# Altium PCB KAVI_PCB_R5.PcbDoc (part 1 of 2)
Units mil, origin at the board's own origin, x right, y up, seen from the top; angles counter-clockwise.
Board outline 3000 x 1700 mil, 4 copper layers (Top Layer, Signal Layer 1, Signal Layer 2, Bottom Layer), stack 64.6 mil thick; 113 components, 99 nets, 484 pads, 120 vias.
Unrouted connection lines stored in the file: 1.
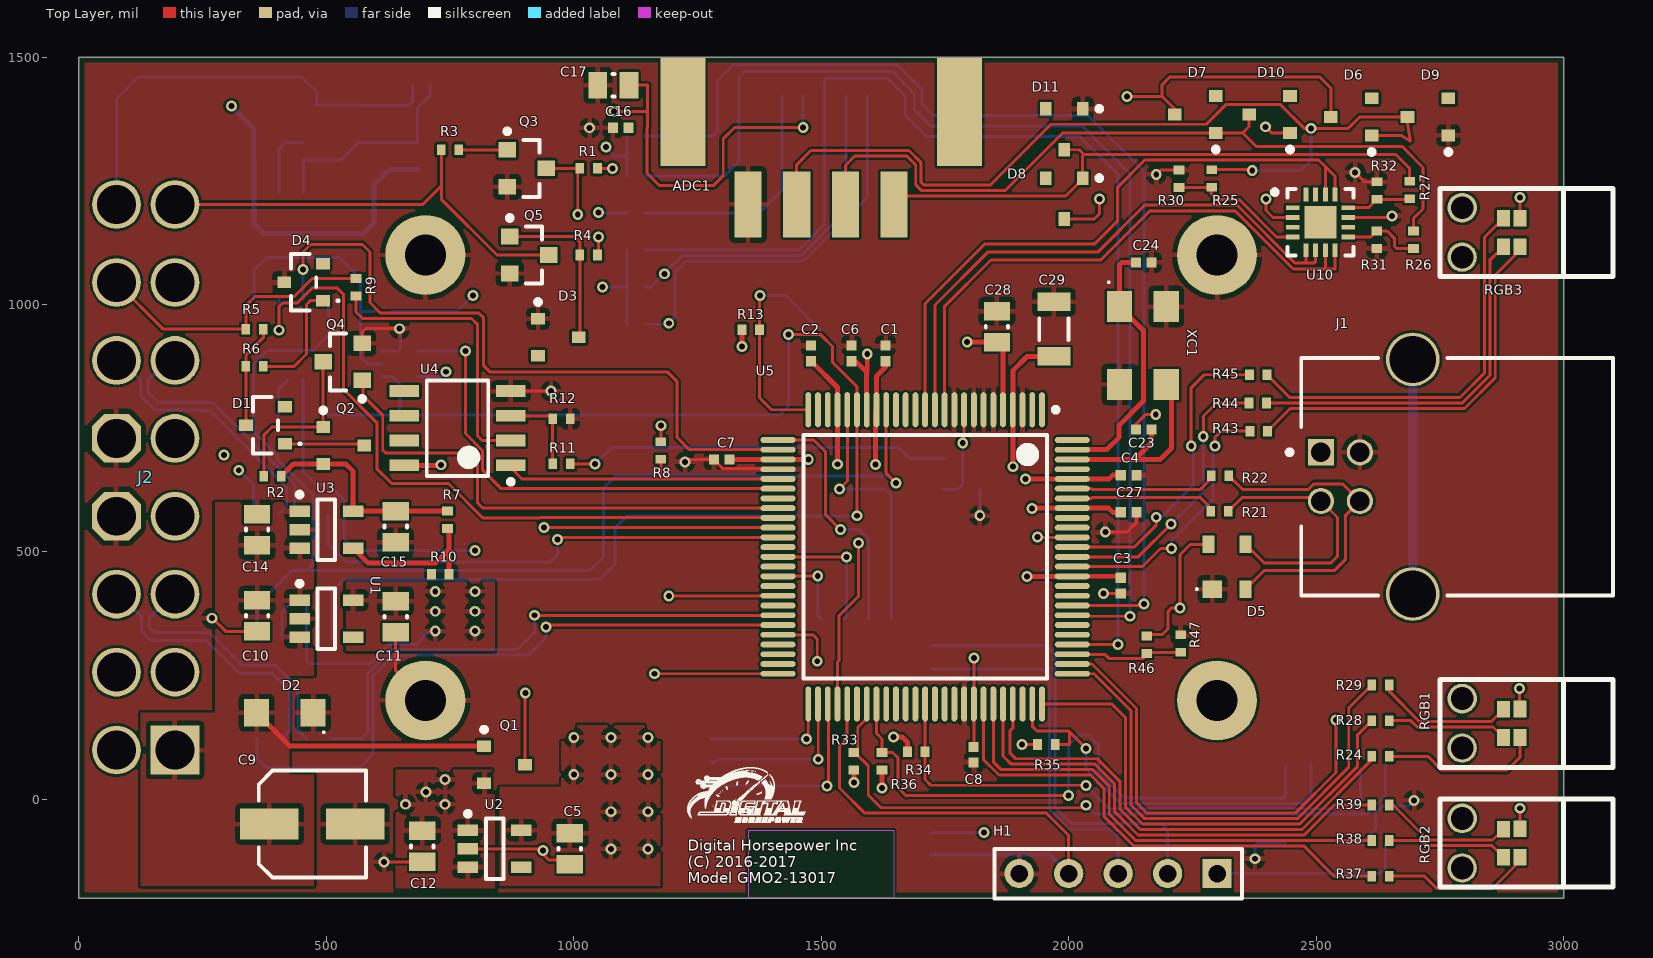
[diagram p0: Top Layer view]
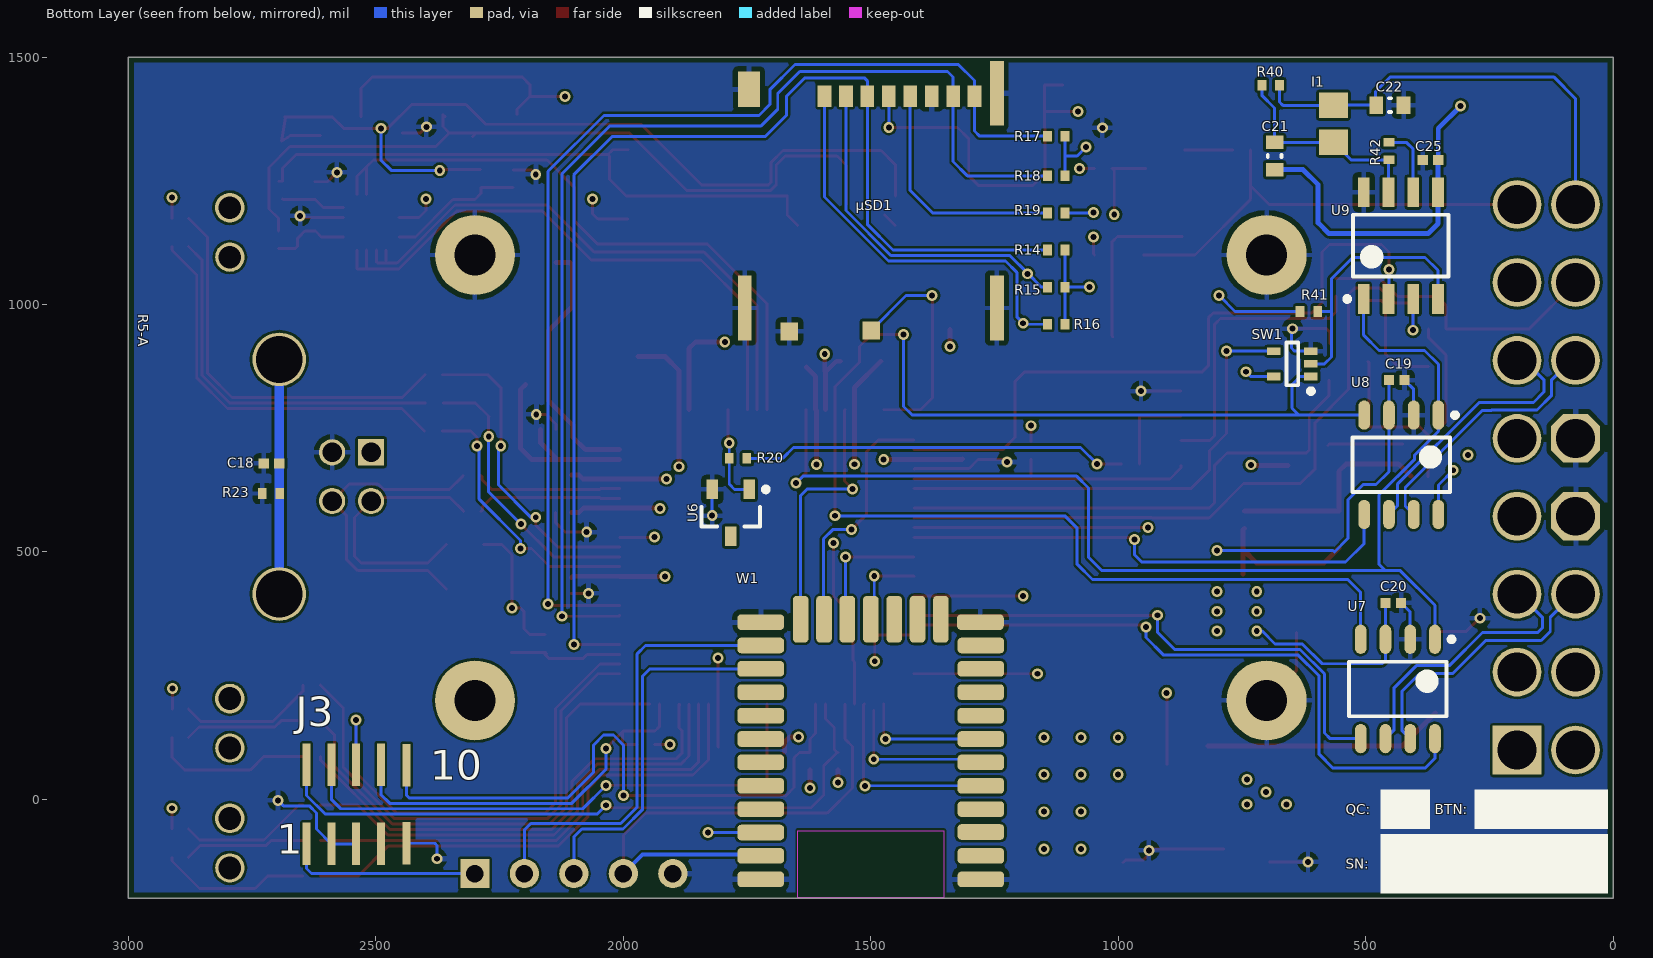
[diagram p1: Bottom Layer view, seen from below]
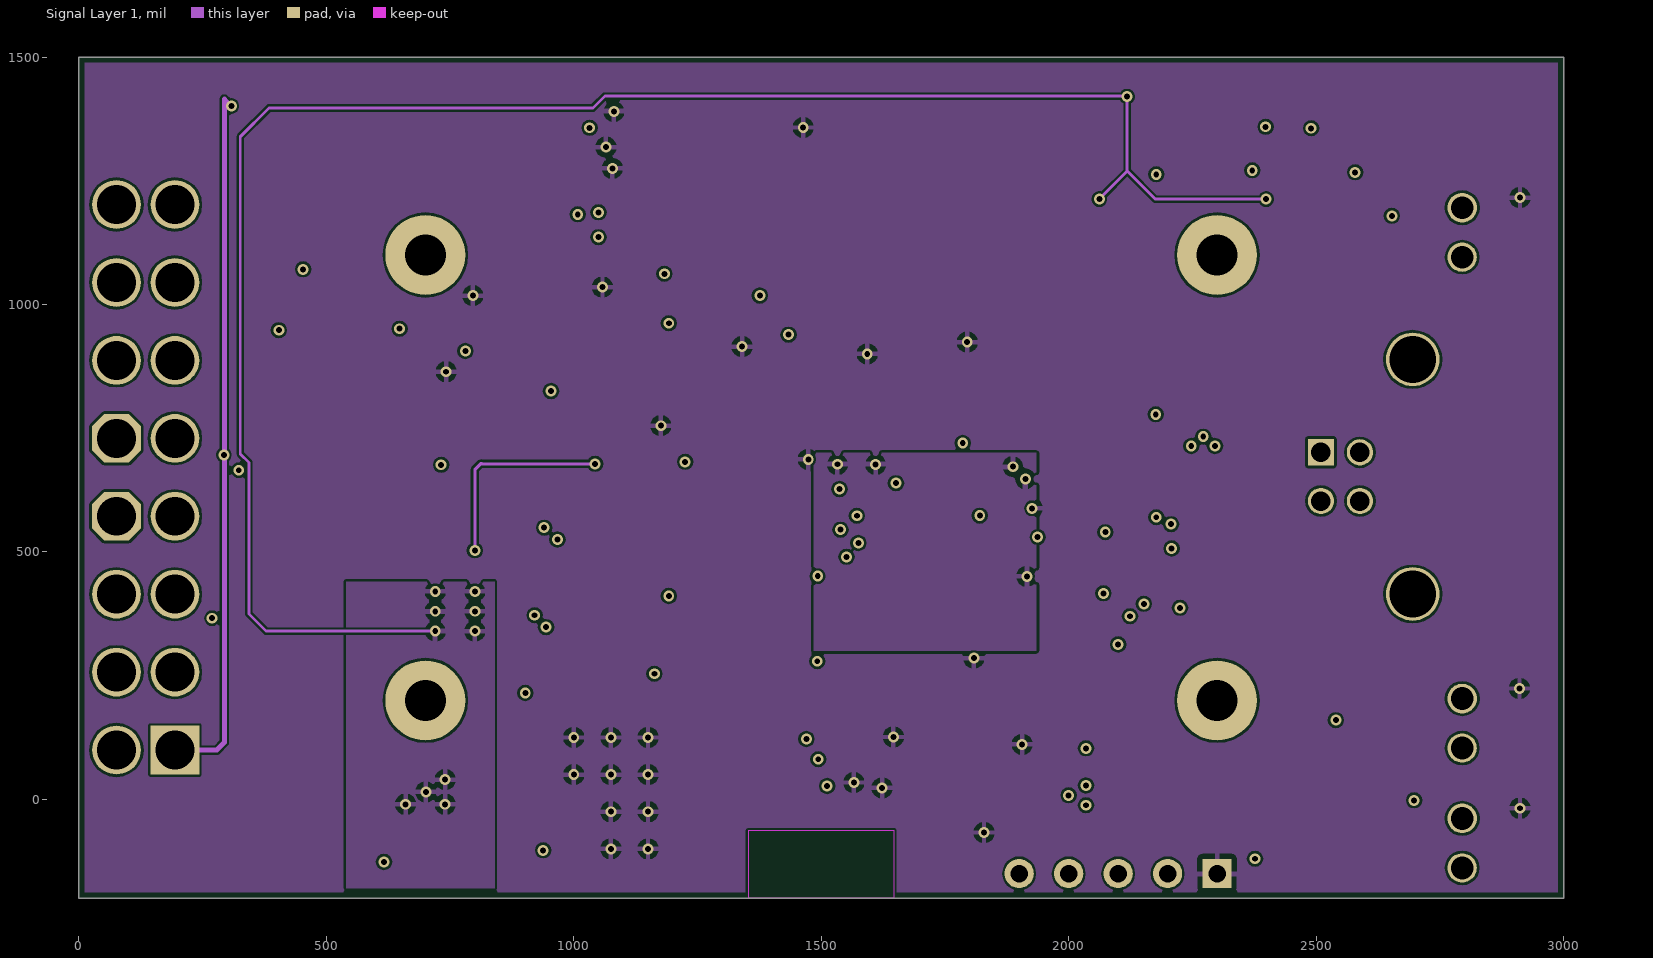
[diagram p2: Signal Layer 1]
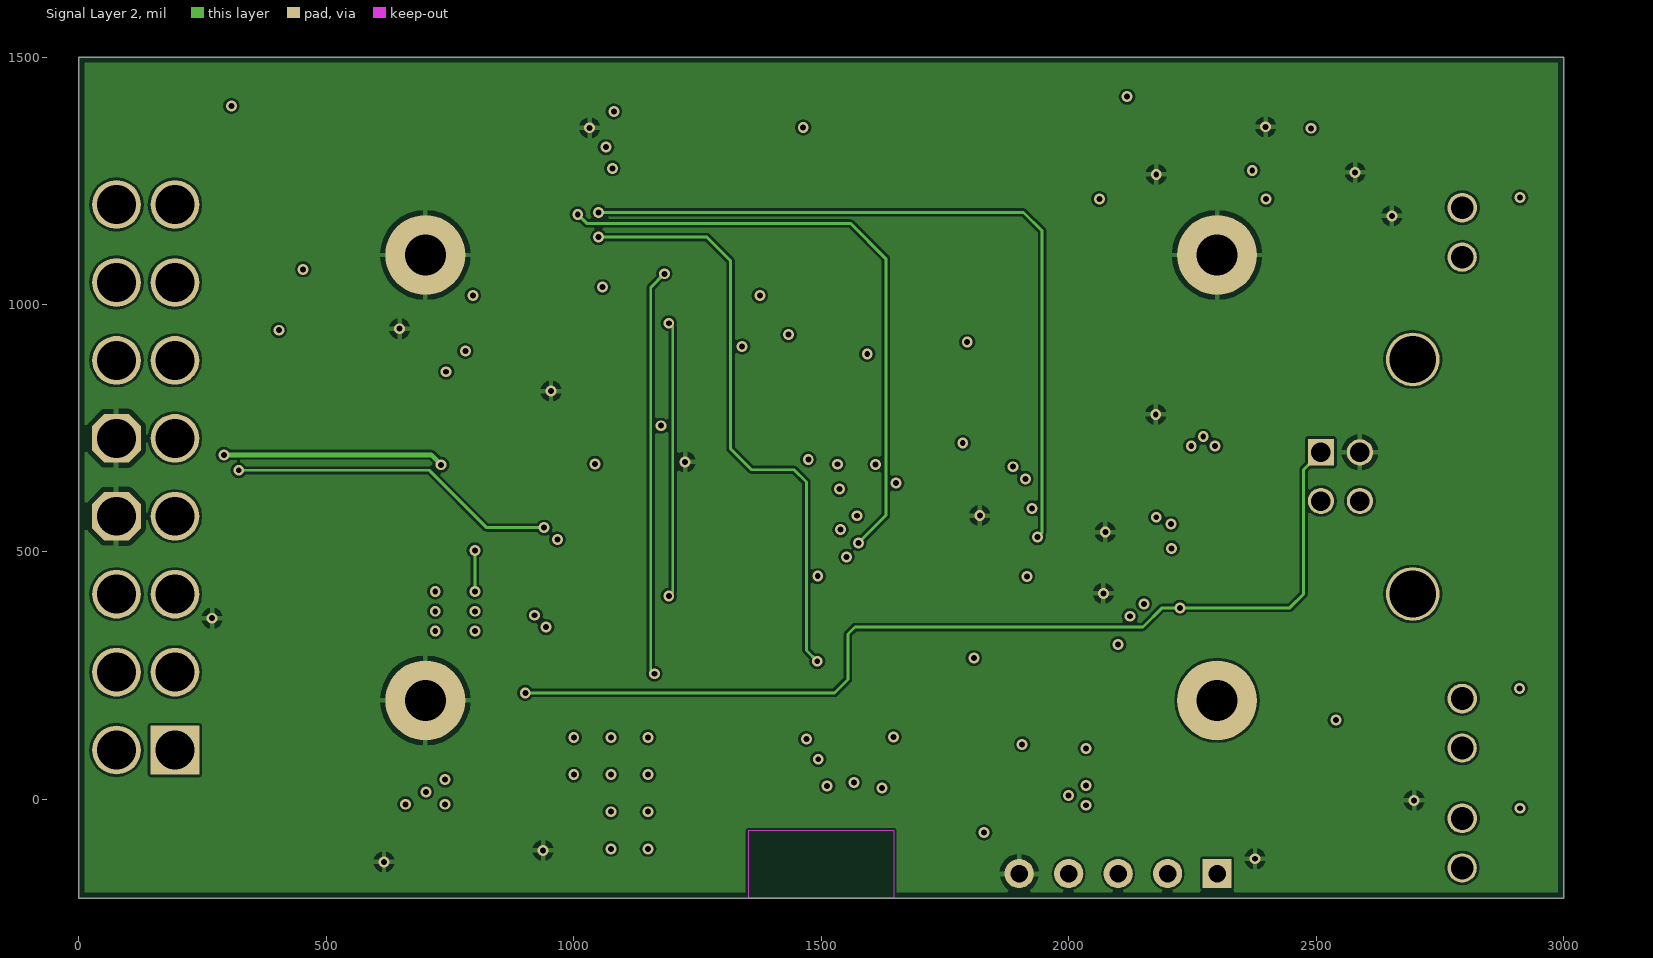
[diagram p3: Signal Layer 2]

## Layer stack, top to bottom
Top Solder: solder mask 1, Solder Resist, Dk 3.5
Top Layer: signal copper 1.4
Dielectric 1: prepreg 6.7, FR-4, Dk 4.2
Signal Layer 1: signal copper 0.7
Dielectric 2: core 47, Dk 4.2
Signal Layer 2: signal copper 0.7
Dielectric 3: prepreg 6.7, FR-4, Dk 4.2
Bottom Layer: signal copper 1.4
Bottom Solder: solder mask 1, Solder Resist, Dk 3.5

## Board outline
0,1500 0,-200 3000,-200 3000,1500

## Design rules (kind name [scope] priority, off if disabled: settings)
BoardOutlineClearance [All] p1: gap=11.8 ignorepadtopadclearanceinfootprint=FALSE
Clearance [All] p1: gap=5 ignorepadtopadclearanceinfootprint=FALSE
ComponentClearance ComponentClearance_1 [InComponent('RGB3')] p1: gap=10 collisioncheckmode=3 verticalgap=10 showdistances=FALSE
ComponentClearance [All] p2: gap=35 collisioncheckmode=3 verticalgap=10 showdistances=FALSE
DiffPairsRouting [All] p1: maxlimit=10 minlimit=10 mostfreqgap=10 toplayer_minwidth=6 toplayer_maxwidth=15 toplayer_prefwidth=6 midlayer1_minwidth=6 midlayer1_maxwidth=15 midlayer1_prefwidth=6 midlayer2_minwidth=6 midlayer2_maxwidth=15 midlayer2_prefwidth=6 bottomlayer_minwidth=6 bottomlayer_maxwidth=15 bottomlayer_prefwidth=6 maxuncoupledlength=500
MinimumAnnularRing [All] p1: minimumring=5
MinimumSolderMaskSliver [All] p1: minsoldermaskwidth=3
PlaneConnect 5VPrimary [Name = '5VPrimary'] p1: planeconnectstyle=Direct reliefexpansion=20 reliefentries=4 reliefconductorwidth=10 reliefairgap=10
PlaneConnect [All] p2: planeconnectstyle=Relief reliefexpansion=20 reliefentries=4 reliefconductorwidth=10 reliefairgap=10
PolygonConnect [All] p1: connectstyle=Relief reliefconductorwidth=10 reliefentries=4 polygonreliefangle="90 Angle" airgapwidth=10
RoutingVias [All] p1: holewidth=12 width=19 viastyle="Through Hole" minholewidth=12 minwidth=19 maxholewidth=28 maxwidth=50
SilkToSilkClearance [All] p1: silktosilkclearance=2
SilkToSolderMaskClearance [IsPad] p1: minsilkscreentomaskgap=2 clearancetoexposedcopper=TRUE
SolderMaskExpansion [All] p1: expansion=4
Width [All] p1: maxlimit=20 minlimit=5 preferedwidth=6
24 further rules are at their usual default settings.

## Classes and differential pairs
differential pair HSCAN: +HSCAN_P -HSCAN_N
differential pair M_USB: +M_USB_P -M_USB_N
differential pair MSCAN: +MSCAN_P -MSCAN_N
differential pair USB: +USB_P -USB_N

## Components (designator, comment, footprint, x,y, rotation, side; value= is the part's Value field where it differs from the comment)
ADC1 "ADConnector4PIN" "PTSM 0,5/ 4-2,5-H SMD R24" 1500,1260.08 r180 top locked
C1 "CAP0402" CAPC0402(1005)60_L 1630,900.99 r270 top value="0.1 uF"
C2 "CAP0402" CAPC0402(1005)60_L 1479,901 r270 top value="0.1 uF"
C3 "CAP0402" CAPC0402(1005)60_L 2105.25,432 r90 top value="0.1 uF"
C4 "CAP0402" CAPC0402(1005)60_L 2120.99,655 r180 top value="0.1 uF"
C5 "CAP0805" CAPC0805(2012)145_L#1 992.14,-100 r90 top value=1uF
C6 "CAP0402" CAPC0402(1005)60_L 1561.53,900.99 r270 top value="0.1 uF"
C7 "CAP0402" CAPC0402(1005)60_L 1299.01,686.85 r0 top value="0.1 uF"
C8 "CAP0402" CAPC0402(1005)60_L 1808,90.25 r90 top value="0.1 uF"
C9 "UUD1E220MCL1GS" NIC-CAPA2-5X5.8_V 471.61,-50 r0 top value="22 uF"
C10 "CAP0805" CAPC0805(2012)145_L#1 360,371 r90 top value=1uF
C11 "CAP0805" CAPC0805(2012)145_L#1 640,369 r90 top value=1uF
C12 "CAP0805" CAPC0805(2012)145_L#1 694,-95 r90 top value=1uF
C14 "CAP0805" CAPC0805(2012)145_L#2 360,545 r270 top value=1uF
C15 "CAP0805" CAPC0805(2012)145_L#1 640,551 r90 top value=1uF
C16 "CAP0402" CAPC0402(1005)60_L 1094.83,1357 r0 top value="0.1 uF"
C17 "CAP0805" CAPC0805(2012)145_L#1 1080.08,1443 r0 top value="10 uF"
C18 "CAP0402" CAPC0402(1005)60_L 2711,679 r180 bottom value=4.7nF
C19 "CAP0402" CAPC0402(1005)60_L 437,847 r180 bottom value="0.1 uF"
C20 "CAP0402" CAPC0402(1005)60_L 444,397 r180 bottom value="0.1 uF"
C21 "CAP0603" CAPC0603(1608)100_L 684,1300.04 r90 bottom value="100 pF"
C22 "CAP0603" CAPC0603(1608)100_L 451,1403 r0 bottom value="100 pF"
C23 "CAP0402" CAPC0402(1005)60_L 2151.75,747 r0 top value="6.8 pF"
C24 "CAP0402" CAPC0402(1005)60_L 2151.75,1085 r180 top value="6.8 pF"
C25 "CAP0402" CAPC0402(1005)60_L 369,1292 r180 bottom value="0.1 uF"
C27 "CAP0402" CAPC0402(1005)60_L 2120.99,580 r180 top value="0.1 uF"
C28 "CAP0805" CAPC0805(2012)145_L#1 1855,955 r270 top value="10 uF"
C29 "CAP1206" CAPC1206(3216)150_L 1970,950 r270 top value="4.7 uF"
D1 "BAS16" NXP-SOT23-3_V 377,756 r270 top
D2 "TVS Protection" SODFL370X108-2N 416,175 r180 top
D3 "Diode" SOT23 969,934 r0 top
D4 "BAS16" NXP-SOT23-3_V 454,1045 r270 top
D5 "PRTR5V0U2X" SOT143 2320,470 r90 top
D6 "Diode" SOT23 2571,1379 r180 top locked
D7 "Diode" SOT23 2256,1384 r180 top locked
D8 "Diode" SOT23 1991,1214 r270 top locked
D9 "Diode" SOT23 2726,1379 r180 top locked
D10 "Diode" SOT23 2406,1384 r180 top
D11 "Diode" SOT23 1991,1354 r270 top locked
H1 "BTDBG" HDR1X5 2300,-150 r180 top
I1 "Inductor" L0805 565,1365 r90 bottom
J1 "61729-0010BLF" FCI-61729-0010BLF-6_V 2785,651.85 r90 top
J2 "90 Degree OBD Plug Male" 90-DEG-OBD-PLUG 75.89,99.59 r90 top locked
J3 "5x10" CON10_2X5 2540,-10 r180 bottom
Q1 "ZXMP6A13F" SOT23 860,70 r0 top
Q2 "ZXMP6A13F" SOT23 535,715 r0 top
Q3 "MMBT2222ALT1G" ONSC-SOT-23-3-318-08_V 905,1275 r0 top
Q4 "BSS138LT1G" ONSC-SOT-23-3-318-08_V 533,884 r180 top
Q5 "MMBT2222ALT1G" ONSC-SOT-23-3-318-08_V 910,1100 r0 top
R1 "RES0402" RESC0402(1005)_L 1030,1275 r0 top value=10K
R2 "RES0402" RESC0402(1005)_L 391,653 r0 top value=1.5K
R3 "RES0402" RESC0402(1005)_L 750,1312.4 r0 top value=10K
R4 "RES0402" RESC0402(1005)_L 1030,1100 r0 top value=10K
R5 "RES0402" RESC0402(1005)_L 355,950 r0 top value=27R
R6 "RES0402" RESC0402(1005)_L 355,875 r180 top value=10K
R7 "RES0402" RESC0402(1005)_L 745,565 r90 top value=5.49k
R8 "RES0402" RESC0402(1005)_L 1176,705 r270 top value=10K
R9 "RES0402" RESC0402(1005)_L 560,1035 r90 top value=10K
R10 "RES0402" RESC0402(1005)_L 730,455 r0 top value=1k
R11 "RES0402" RESC0402(1005)_L 975.21,678 r0 top value=1.2K
R12 "RES0402" RESC0402(1005)_L 975.21,769 r180 top value=4.7K
R13 "RES0402" RESC0402(1005)_L 1357.72,949 r180 top value=10K
R14 "RES0402" RESC0402(1005)_L 1125,1110 r180 bottom value=10K
R15 "RES0402" RESC0402(1005)_L 1125,1035 r180 bottom value=68K
R16 "RES0402" RESC0402(1005)_L 1125,960 r180 bottom value=68K
R17 "RES0402" RESC0402(1005)_L 1125,1340 r180 bottom value=68K
R18 "RES0402" RESC0402(1005)_L 1125,1260 r180 bottom value=68K
R19 "RES0402" RESC0402(1005)_L 1125,1185 r180 bottom value=27R
R20 "RES0402" RESC0402(1005)_L 1768.28,689 r180 bottom value=2.2k
R21 "RES0402" RESC0402(1005)_L 2305,582 r0 top value=39R
R22 "RES0402" RESC0402(1005)_L 2306,654 r0 top value=39R
R23 "RES0402" RESC0402(1005)_L 2712,618 r180 bottom value=1M
R24 "RES0402" RESC0402(1005)_L 2630,87 r0 top value=330R
R25 "RES0402" RESC0402(1005)_L 2289,1254.72 r90 top value=5.49k
R26 "RES0402" RESC0402(1005)_L 2697,1131 r90 top value=5.49k
R27 "RES0402" RESC0402(1005)_L 2689,1231.28 r90 top value=5.49k
R28 "RES0402" RESC0402(1005)_L 2630,159 r0 top value=330R
R29 "RES0402" RESC0402(1005)_L 2630,231 r0 top value=330R
R30 "RES0402" RESC0402(1005)_L 2223,1253.97 r270 top value=10k
R31 "RES0402" RESC0402(1005)_L 2622.28,1130.72 r90 top value=10k
R32 "RES0402" RESC0402(1005)_L 2623,1230.28 r270 top value=10k
R33 "RES0402" RESC0402(1005)_L 1566,77 r270 top value=10K
R34 "RES0402" RESC0402(1005)_L 1692,96 r180 top value=10K
R35 "RES0402" RESC0402(1005)_L 1955,111 r180 top value=10K
R36 "RES0402" RESC0402(1005)_L 1623,77 r270 top value=10K
R37 "RES0402" RESC0402(1005)_L 2630,-155.25 r0 top value=330R
R38 "RES0402" RESC0402(1005)_L 2630,-83.25 r0 top value=330R
R39 "RES0402" RESC0402(1005)_L 2630,-11.25 r0 top value=330R
R40 "RES0402" RESC0402(1005)_L 692,1443 r0 bottom value=1k
R41 "RES0402" RESC0402(1005)_L 614.69,985.88 r180 bottom value=2.70K
R42 "RES0402" RESC0402(1005)_L 453,1310 r90 bottom value=6.49k
R43 "RES0402" RESC0402(1005)_L 2384,744 r0 top value=330R
R44 "RES0402" RESC0402(1005)_L 2382,801 r0 top value=330R
R45 "RES0402" RESC0402(1005)_L 2383,858 r0 top value=330R
R46 "RES0402" RESC0402(1005)_L 2158,312.28 r90 top value=5.49k
R47 "RES0402" RESC0402(1005)_L 2226.47,314.8 r270 top value=10k
RGB1 "D?" "RGBLED W/ LIGHTPIPE" 2795.14,103.57 r90 top locked
RGB2 "D?" "RGBLED W/ LIGHTPIPE" 2795.14,-138.52 r90 top locked
RGB3 "D?" "RGBLED W/ LIGHTPIPE" 2795.14,1095.57 r90 top locked
SW1 "1:1 Low Z Switch" SC70-SWITCH 648,880 r0 bottom
U1 "U?" SOT95P284X130-5N 500,365 r0 top
U2 "U?" SOT95P284X130-5N 840,-100 r0 top
U3 "" SOT95P284X130-5N 500,545 r0 top
U4 "LM393DR2G" ONSC-SOIC-8-751-07_V 765,750 r180 top
U5 "ATSAM4E8CA-AU" LQFP100_N 1710,490 r270 top
U6 "LM4040CIM3-2.5" DBZ0003A_N 1783,579 r270 bottom
U7 "TLE7250GVIO" INF-PG-DSO-8-16_L 435,223 r270 bottom
U8 "TLE7250GVIO" INF-PG-DSO-8-16_L 428,676 r270 bottom
U9 "NCV7356D1R2G" ONSC-SOIC-8-751-07_V 428.9,1119 r90 bottom
U10 "LM2902N" QFN50P300X300X100_HS-17N 2509,1166 r0 top
W1 "BGM111 Bluetooth 4.2" BGM111 1500,-195 r0 bottom locked
XC1 "Standard 4-Pin" DFN240P320X110-4N 2146,917 r0 top
µSD1 "MicroSD_Wellco" MICROSD_MOLEX 1500,1190.19 r180 bottom locked value=MSPR09-A0-5200

## Footprints (in the part's own frame and the unit in brackets; to place one, negate y for a bottom-side part, rotate by r counter-clockwise, add the part's x,y. Pads: shape width x height; smd on the part's side, far side on the other; paste and mask are expansions set on the pad)
90-DEG-OBD-PLUG [mm]
  round 2.5 hole 2: 1(28,0) 2(24,0) 3(20,0) 6(8,0) 7(4,0) 8(0,0) 9(28,-3) 10(24,-3) 11(20,-3) 12(16,-3) 13(12,-3) 14(8,-3) 15(4,-3)
  oct 2.5x2.5 hole 2: 4(16,0) 5(12,0)
  rect 2.5x2.5 hole 2: 16(0,-3)
  body extent -6.25,-3.38 34.3,22.78, height 15.65
BGM111 [mm]
  rrect50% 2.4x0.8 smd: 0(-5.65,-0.85) 1(-5.65,-2.05) 2(-5.65,-3.275) 3(-5.65,-4.45) 4(-5.65,-5.65) 5(-5.65,-6.85) 6(-5.65,-8.05) 7(-5.65,-9.25) 8(-5.65,-10.45) 9(-5.65,-11.65) 10(-5.65,-12.85) 11(-5.625,-14.05) 19(5.65,-14.05) 20(5.65,-12.85) 21(5.65,-11.65) 22(5.65,-10.45) 23(5.65,-9.25) 24(5.65,-8.05) 25(5.65,-6.85) 26(5.65,-5.65) 27(5.65,-4.45) 28(5.65,-3.25) 29(5.65,-2.05) 30(5.65,-0.85)
  rrect50% 0.8x2.4 smd: 12(-3.6,-14.2) 13(-2.4,-14.2) 14(-1.2,-14.2) 15(0,-14.2) 16(1.2,-14.2) 17(2.4,-14.2) 18(3.6,-14.2)
  Keep-Out Layer region: -3.75,0.1 3.75,0.1 3.75,-3.35 -3.75,-3.35
  body extent -6.45,-15.07 6.45,-0.07, height 2.21
CAPC0402(1005)60_L [mm]
  rect 0.52x0.52 smd: 1(-0.4,0) 2(0.4,0)
  body extent -0.55,-0.3 0.55,0.3, height 0.6
CAPC0603(1608)100_L [mm]
  rect 0.7x0.9 smd: 1(-0.7,0) 2(0.7,0)
  silkscreen extent -0.05,-0.35 0.05,0.35, body extent -0.87,-0.47 0.88,0.48, height 1
CAPC0805(2012)145_L#1 [mm]
  rect 0.95x1.35 smd: 1(-0.8,0) 2(0.8,0)
  silkscreen extent -0.05,-0.58 0.05,0.58, body extent -1.1,-0.72 1.1,0.72, height 1.45
CAPC0805(2012)145_L#2 [mm]
  rect 0.95x1.35 smd: 1(-0.8,0) 2(0.813,0)
  silkscreen extent -0.05,-0.58 0.05,0.58, body extent -1.1,-0.72 1.1,0.72, height 1.45
CAPC1206(3216)150_L [mm]
  rect 0.95x1.7 smd: 1(-1.4,0) 2(1.4,0)
  silkscreen extent -0.55,-0.75 0.55,0.75, body extent -1.7,-0.9 1.7,0.9, height 1.5
CON10_2X5 [mil]
  rect 16x86 smd: 1(-100,-80) 2(-100,80) 3(-50,-80) 4(-50,80) 5(0,-80) 6(0,80) 7(50,-80) 8(50,80) 9(102.17,-78.74) 10(102.17,78.74)
DBZ0003A_N [mm] "SOT23, 3-Leads, Body 3.04x1.4mm, Pitch 0.95mm, IPC Medium Density"
  rect 1x0.6 smd: 1(-1.2,0.95) 2(-1.2,-0.95) 3(1.2,0)
  silkscreen extent -1.32,-1.5 0.7,1.92, body extent -1.26,-1.46 1.26,1.46, height 0.96
DFN240P320X110-4N [mm] "DFN, 4-Leads, Body 5.00x3.20mm, Pitch 2.40mm, IPC Medium Density"
  rect 1.3x1.6 smd: 1(-1.1,2) 2(-1.1,-2) 3(1.3,-2) 4(1.3,2)
  silkscreen extent -1.7,3.2 -1.6,3.3, body extent -1.65,-2.68 1.9,2.68, height 1.1
FCI-61729-0010BLF-6_V [mm] "Through Hole, 6-Leads, Body 12.2x16mm"
  rect 1.35x1.35 hole 1: 1(1.254,6.99)
  round 1.35 hole 1: 2(-1.246,6.99) 3(-1.246,4.99) 4(1.254,4.99)
  round 2.75 hole 2.4: MH1(-6.016,2.28) MH2(6.024,2.28)
  silkscreen extent -6.1,-8 6.1,8.72, body extent -7.35,-8.15 7.45,8.35, height 10.81
HDR1X5 [mm] "Connector; Header; 5 Position"
  rect 1.5x1.5 hole 0.9: 1(0,0)
  round 1.5 hole 0.9: 2(2.54,0) 3(5.08,0) 4(7.62,0) 5(10.16,0)
  silkscreen extent -1.27,-1.27 11.43,1.27
INF-PG-DSO-8-16_L [mm] "SOP, 8-Leads, Body 4.9x3.9mm, Pitch 1.27mm, IPC High Density"
  oval 1.5x0.6 smd: 1(-2.55,1.905) 2(-2.55,0.635) 3(-2.55,-0.635) 4(-2.55,-1.905) 5(2.55,-1.905) 6(2.55,-0.635) 7(2.55,0.635) 8(2.55,1.905)
  silkscreen extent -2.67,-2.5 1.4,2.88, body extent -2,-2.5 2,2.5, height 1.75
L0805 [mil]
  rect 51.18x59.06 smd: 1(-37.4,0) 2(37.4,0)
  body extent -39,-25 39,24, height 20
LQFP100_N [mm] "Thin QFP, 100-Leads, Body 14x14mm, Pitch 0.5mm, IPC Medium Density"
  oval 1.8x0.3 smd: 1(-7.55,6) 2(-7.55,5.5) 3(-7.55,5) 4(-7.55,4.5) 5(-7.55,4) 6(-7.55,3.5) 7(-7.55,3) 8(-7.55,2.5) 9(-7.55,2) 10(-7.55,1.5) 11(-7.55,1) 12(-7.55,0.5) 13(-7.55,0) 14(-7.55,-0.5) 15(-7.55,-1) 16(-7.55,-1.5) 17(-7.55,-2) 18(-7.55,-2.5) 19(-7.55,-3) 20(-7.55,-3.5) 21(-7.55,-4) 22(-7.55,-4.5) 23(-7.55,-5) 24(-7.55,-5.5) 25(-7.55,-6) 51(7.55,-6) 52(7.55,-5.5) 53(7.55,-5) 54(7.55,-4.5) 55(7.55,-4) 56(7.55,-3.5) 57(7.55,-3) 58(7.55,-2.5) 59(7.55,-2) 60(7.55,-1.5) 61(7.55,-1) 62(7.55,-0.5) 63(7.55,0) 64(7.55,0.5) 65(7.55,1) 66(7.55,1.5) 67(7.55,2) 68(7.55,2.5) 69(7.55,3) 70(7.55,3.5) 71(7.55,4) 72(7.55,4.5) 73(7.55,5) 74(7.55,5.5) 75(7.55,6)
  oval 0.3x1.8 smd: 26(-6,-7.55) 27(-5.5,-7.55) 28(-5,-7.55) 29(-4.5,-7.55) 30(-4,-7.55) 31(-3.5,-7.55) 32(-3,-7.55) 33(-2.5,-7.55) 34(-2,-7.55) 35(-1.5,-7.55) 36(-1,-7.55) 37(-0.5,-7.55) 38(0,-7.55) 39(0.5,-7.55) 40(1,-7.55) 41(1.5,-7.55) 42(2,-7.55) 43(2.5,-7.55) 44(3,-7.55) 45(3.5,-7.55) 46(4,-7.55) 47(4.5,-7.55) 48(5,-7.55) 49(5.5,-7.55) 50(6,-7.55) 76(6,7.55) 77(5.5,7.55) 78(5,7.55) 79(4.5,7.55) 80(4,7.55) 81(3.5,7.55) 82(3,7.55) 83(2.5,7.55) 84(2,7.55) 85(1.5,7.55) 86(1,7.55) 87(0.5,7.55) 88(0,7.55) 89(-0.5,7.55) 90(-1,7.55) 91(-1.5,7.55) 92(-2,7.55) 93(-2.5,7.55) 94(-3,7.55) 95(-3.5,7.55) 96(-4,7.55) 97(-4.5,7.55) 98(-5,7.55) 99(-5.5,7.55) 100(-6,7.55)
  silkscreen extent -7.67,-6.25 6.25,6.83, body extent -7,-7 7,7, height 1.6
MICROSD_MOLEX [mm]
  rect 0.7x1.1 smd: 1(-2.375,5.863) 2(-1.275,5.863) 3(-0.175,5.863) 4(0.925,5.863) 5(2.025,5.863) 6(3.125,5.863) 7(4.225,5.863) 8(5.325,5.863)
  rect 1.14x1.83 smd: 9(-6.255,6.213)
  rect 0.9x0.93 smd: 10(0.025,-6.162) 14(-4.175,-6.212)
  rect 0.7x3.33 smd: 11(6.475,6.013) 12(6.475,-5.012) 13(-6.475,-5.012)
  body extent -6.48,-6.56 6.62,7.49, height 1.25
NIC-CAPA2-5X5.8_V [mm] "Aluminum Electrolytic Capacitor, Diameter 5mm, Height 6.1mm, Pitch 4.4mm"
  rect 3x1.6 smd: 1(-2.2,0) 2(2.2,0)
  silkscreen extent -2.75,-2.75 2.75,2.75, body extent -2.5,-2.48 2.49,2.5, height 6.1
NXP-SOT23-3_V [mm] "SOT23, 3-Leads, Body 1.3x2.9mm, Pitch 0.95mm"
  rect 0.6x0.7 smd paste-0.05: 1(0.95,1) 2(-0.95,1) 3(0,-1)
  silkscreen extent -1.45,-0.65 1.45,1.79, body extent -1.45,-0.65 1.45,0.65, height 1.1
ONSC-SOIC-8-751-07_V [mm] "SOIC, 8-Leads, Body 4.9x3.9mm, Pitch 1.27mm"
  rect 1.52x0.6 smd: 1(-2.74,1.905) 2(-2.74,0.635) 3(-2.74,-0.635) 4(-2.74,-1.905) 5(2.74,-1.905) 6(2.74,-0.635) 7(2.74,0.635) 8(2.74,1.905)
  silkscreen extent -2.87,-2.45 1.58,2.88, body extent -1.95,-2.45 1.95,2.45, height 1.75
ONSC-SOT-23-3-318-08_V [mm] "SOT23, 3-Leads, Body 2.92x1.3mm, Pitch 0.95mm"
  rect 0.9x0.8 smd: 1(-1,0.95) 2(-1,-0.95) 3(1,0)
  silkscreen extent -1.12,-1.46 0.65,2.02, body extent -0.65,-1.46 0.65,1.46, height 1.11
"PTSM 0,5/ 4-2,5-H SMD R24" [mm] "Pheonix Contact SMD PCB Terminal"
  rect 1.4x3.4 smd: 1(-3.741,1.473) 2(-1.241,1.473) 3(1.259,1.473) 4(3.759,1.473)
  rect 2.3x5.6 smd: 5(-7.1,-3.3) 6(7.1,-3.3)
  body extent -7.8,-7.6 7.8,1.9, height 5
QFN50P300X300X100_HS-17N [mm] "QFN, 16-Leads, Body 3.00x3.00mm, Pitch 0.50mm, Thermal Pad 1.65x1.65mm, IPC Medium Density"
  rect 0.7x0.25 smd: 1(-1.425,0.75) 2(-1.425,0.25) 3(-1.425,-0.25) 4(-1.425,-0.75) 9(1.425,-0.75) 10(1.425,-0.25) 11(1.425,0.25) 12(1.425,0.75)
  rect 0.25x0.7 smd: 5(-0.75,-1.425) 6(-0.25,-1.425) 7(0.25,-1.425) 8(0.75,-1.425) 13(0.75,1.425) 14(0.25,1.425) 15(-0.25,1.425) 16(-0.75,1.425)
  rect 1.65x1.65 smd: 17(0,0)
  silkscreen extent -2.47,-1.7 1.7,1.7, body extent -1.55,-1.55 1.55,1.55, height 1
RESC0402(1005)_L [mm]
  rect 0.45x0.55 smd: 1(-0.45,0) 2(0.45,0)
  body extent -0.52,-0.27 0.53,0.28, height 0.4
"RGBLED W/ LIGHTPIPE" [mm]
  round 1.5 hole 1.168: 0(0,0)
  round 1.524 hole 1.168: 0(2.54,0)
  rect 0.85x0.65 smd: 1(0.544,-2.968) 2(0.544,-2.118) 3(1.994,-2.118) 4(2.007,-2.972)
  silkscreen extent -0.99,-7.75 3.53,1.14, body extent -0.99,-7.77 3.53,1.12, height 5.31
SC70-SWITCH [mm] "SC70 5 Lead"
  rect 0.7x0.4 smd: 1(-0.95,0.65) 2(-0.95,0) 3(-0.95,-0.65) 4(0.95,-0.65) 5(0.95,0.65)
  silkscreen extent -1.07,-1.1 0.3,1.52, body extent -1.2,-1.1 1.2,1.1, height 1
SODFL370X108-2N [mm] "SODFL, 2-Leads, Body 1.80x3.70mm, IPC Medium Density"
  rect 1.3x1.4 smd: 1(-1.45,0) 2(1.45,0)
  silkscreen extent -2.05,0.95 -1.95,1.05, body extent -1.85,-0.95 1.85,0.95, height 1.08
SOT23 [mm] "SOT23, 3-Leads, Body 2.90x1.90mm, Pitch 0.95mm, IPC Medium Density"
  rect 0.7x0.6 smd: 1(-1.05,0.95) 2(-1.05,-0.95) 3(1.05,0)
  silkscreen extent -1.17,1.68 -0.92,1.92, body extent -0.94,-1.5 0.94,1.5, height 1.1
SOT95P284X130-5N [mm] "SOT23, 5-Leads, Body 2.96x2.84mm, Pitch 0.95mm, IPC Medium Density"
  rect 1.05x0.6 smd: 1(-1.375,0.95) 2(-1.375,0) 3(-1.375,-0.95) 4(1.375,-0.95) 5(1.375,0.95)
  silkscreen extent -1.5,-1.55 0.45,1.92, body extent -1.5,-1.55 1.5,1.55, height 1.3
SOT143 [mm] "SOT143, 4-Leads, Body 2.92x2.30mm, Pitch 1.90mm, IPC Medium Density"
  rect 0.9x1 smd: 1(-1.15,0.75)
  rect 0.9x0.6 smd: 2(-1.15,-0.95) 3(1.15,-0.95) 4(1.15,0.95)
  silkscreen extent -1.2,1.5 -1.1,1.6, body extent -1.15,-1.52 1.15,1.52, height 1.2

## Part data
ADC1: Supplier Part Number 1=277-2338-1-ND, Supplier 1=Digikey
C1 C2 C3 C4 C6 C7 C8 C16 C19 C20 C25 C27: library part CMP-1590-00004-1, "0402 (1005 Metric) Chip Capacitor", Capacitance=0.10µF, Case-EIA=0402, Case-Metric=1005, Manufacturer=Kemet, Manufacturer Part Number=C0402C104K4RACTU, Operating Temperature="-55°C ~ 125°C", Package / Case="0402 (1005 Metric)", Ratings=-, Supplier Part Number 1=399-3521-2-ND, Temperature Coefficient=X7R, Voltage - Rated=16V, Applications="General Purpose", Category=Capacitors, ComponentLink1Description=http://www.kemet.com/docfinder?Partnumber=C0402C104K4RACTU, ComponentLink1URL=http://www.kemet.com/docfinder?Partnumber=C0402C104K4RACTU, Failure Rate=-, Features=-, Height - Seated (Max)=-, Lead Spacing=-, Lead Style=-, Mounting Type="Surface Mount, MLCC", PackageReference=CAPC0402(1005)60, Packaging="Tape & Reel (TR)", Part Status=Active, Pricing 1="10000=0.015, 20000=0.01425, 30000=0.0135, 50000=0.01238, 100000=0.01022 (USD)", RoHS="RoHS Compliant", Size / Dimension="0.039\" L x 0.020\" W (1.00mm x 0.50mm)", Stock 1=4800000, Supplier 1=Digi-Key, Thickness (Max)="0.022\" (0.55mm)"
C5 C10 C11 C12 C14 C15 C17 C28: library part CMP-1590-00003-1, "0805 (2012 Metric) Chip Capacitor", Capacitance=1µF, Case-EIA=0805, Case-Metric=2012, Manufacturer="Samsung Electro-Mechanics America, Inc.", Manufacturer Part Number=CL21B105KPFNNNE, Operating Temperature="-55°C ~ 125°C", Package / Case="0805 (2012 Metric)", Ratings=-, Supplier Part Number 1=1276-1275-2-ND, Temperature Coefficient=X7R, Voltage - Rated=10V, Applications="General Purpose", Category=Capacitors, ComponentLink1Description=http://www.samsungsem.com/kr/support/product-search/mlcc/__icsFiles/afieldfile/2016/08/18/S_CL21B105KPFNNNE.pdf, ComponentLink1URL=http://www.samsungsem.com/kr/support/product-search/mlcc/__icsFiles/afieldfile/2016/08/18/S_CL21B105KPFNNNE.pdf, Features=-, Height - Seated (Max)=-, Lead Spacing=-, Lead Style=-, Mounting Type="Surface Mount, MLCC", PackageReference=CAPC0805(2012)145, Packaging="Tape & Reel (TR)", Part Status=Active, Pricing 1="2000=0.01375, 4000=0.01265, 10000=0.01155, 14000=0.011, 50000=0.00935, 100000=0.00756 (USD)", RoHS="RoHS Compliant", Size / Dimension="0.079\" L x 0.049\" W (2.00mm x 1.25mm)", Stock 1=94000, Supplier 1=Digi-Key, Thickness (Max)="0.053\" (1.35mm)"
C9: library part CMP-0687-00028-1, "Aluminum Electrolytic Capacitor, UD Series, Low Impedance, 22 uF, 25 V, + / - 20%, -55 to 105 degC, Chip Type, 5 x 5.8 mm D x L, Pb-Free, Reel", Capacitance=22µF, ESR (Equivalent Series Resistance)=-, Lifetime @ Temp.="2000 Hrs @ 105°C", Manufacturer=Nichicon, Operating Temperature="-55°C ~ 105°C", Package / Case="Radial, Can - SMD", Rated Capacitance="22 uF", Rated Ripple Current (at 100kHz)="150 mA", Rated Voltage="25 V", Ripple Current=150mA, Supplier Part Number 1=493-2270-2-ND, Tolerance=±20%, Tolerance Rated Capacitance="-20 to 20%", Voltage Rating=25V, Applications="General Purpose", Category=Capacitors, ComponentLink1Description="Manufacturer URL", ComponentLink1URL=http://www.nichicon.co.jp/, ComponentLink2Description=Datasheet, ComponentLink2URL=http://products.nichicon.co.jp/en/pdf/XJA043/e-ud.pdf, ComponentLink3Description="Package Specification", ComponentLink3URL=http://products.nichicon.co.jp/en/pdf/XJA043/e-ud.pdf, ComponentLink4Description=http://nichicon-us.com/english/products/pdfs/e-uud.pdf, ComponentLink4URL=http://nichicon-us.com/english/products/pdfs/e-uud.pdf, DatasheetVersion=08/2012, Diameter="5 mm", Endurance Time="2000 h", Height - Seated (Max)="0.228\" (5.80mm)", Impedance="0.76 Ohm", Lead Spacing=-, Length="5.8 mm", Manufacturer Part Number=UUD1E220MCL1GS, Mounting Technology="Surface Mount", Mounting Type="Surface Mount", PackageDescription="2-Pin Surface Mount Device, Diameter 5 mm, Height 5.8 mm, Pitch 4.4 mm", PackageReference=CAPAE-D5H5.8, Packaging="Tape & Reel (TR)", Packing="Dia382mm Reel", PartNumber=UUD1E220MCL1GS, Part Status=Active, Polarization=Polar, Pricing 1="1000=0.11077, 2000=0.10494, 5000=0.09911, 10000=0.09328, 25000=0.08745, 50000=0.08162, 100000=0.07579 (USD)", RoHS=TRUE, Size / Dimension="0.197\" Dia (5.00mm)", Stock 1=17000, Supplier 1=Digi-Key, Surface Mount Land Size="0.209\" L x 0.209\" W (5.30mm x 5.30mm)"
C18: library part CMP-1590-00004-1, "0402 (1005 Metric) Chip Capacitor", Capacitance=4700pF, Case-EIA=0402, Case-Metric=1005, Manufacturer=Kemet, Manufacturer Part Number=C0402C472K5RACTU, Operating Temperature="-55°C ~ 125°C", Package / Case="0402 (1005 Metric)", Ratings=-, Supplier Part Number 1=399-3072-2-ND, Temperature Coefficient=X7R, Voltage - Rated=50V, Applications="General Purpose", Category=Capacitors, ComponentLink1Description=http://www.kemet.com/docfinder?Partnumber=C0402C472K5RACTU, ComponentLink1URL=http://www.kemet.com/docfinder?Partnumber=C0402C472K5RACTU, Failure Rate=-, Features=-, Height - Seated (Max)=-, Lead Spacing=-, Lead Style=-, Mounting Type="Surface Mount, MLCC", PackageReference=CAPC0402(1005)60, Packaging="Tape & Reel (TR)", Part Status=Active, Pricing 1="10000=0.0042, 20000=0.004, 30000=0.0038, 50000=0.0034, 100000=0.00275 (USD)", RoHS="RoHS Compliant", Size / Dimension="0.039\" L x 0.020\" W (1.00mm x 0.50mm)", Stock 1=140000, Supplier 1=Digi-Key, Thickness (Max)="0.022\" (0.55mm)"
C21 C22: library part CMP-1590-00005-1, "0603 (1608 Metric) Chip Capacitor", Capacitance=100pF, Case-EIA=0603, Case-Metric=1608, Manufacturer=Kemet, Manufacturer Part Number=C0402C101K5GACTU, Operating Temperature="-55°C ~ 125°C", Package / Case="0402 (1005 Metric)", Ratings=-, Supplier Part Number 1=399-7750-2-ND, Temperature Coefficient="C0G, NP0", Voltage - Rated=50V, Applications="General Purpose", Category=Capacitors, ComponentLink1Description=http://www.kemet.com/docfinder?Partnumber=C0402C101K5GACTU, ComponentLink1URL=http://www.kemet.com/docfinder?Partnumber=C0402C101K5GACTU, Failure Rate=-, Features="Low ESL", Height - Seated (Max)=-, Lead Spacing=-, Lead Style=-, Mounting Type="Surface Mount, MLCC", PackageReference=CAPC0603(1608)100, Packaging="Tape & Reel (TR)", Part Status=Active, Pricing 1="10000=0.00378, 20000=0.0036, 30000=0.00342, 50000=0.00306, 100000=0.00248 (USD)", RoHS="RoHS Compliant", Size / Dimension="0.039\" L x 0.020\" W (1.00mm x 0.50mm)", Stock 1=140000, Supplier 1=Digi-Key, Thickness (Max)="0.022\" (0.55mm)"
C23 C24: library part CMP-1590-00004-1, "0402 (1005 Metric) Chip Capacitor", Capacitance=6.8pF, Case-EIA=0402, Case-Metric=1005, Manufacturer=Kemet, Manufacturer Part Number=CBR04C689D5GAC, Operating Temperature="-55°C ~ 125°C", Package / Case="0402 (1005 Metric)", Ratings=-, Supplier Part Number 1=399-6167-2-ND, Temperature Coefficient="C0G, NP0", Voltage - Rated=50V, Applications="RF, Microwave, High Frequency", Category=Capacitors, ComponentLink1Description=http://www.kemet.com/docfinder?Partnumber=CBR04C689D5GAC, ComponentLink1URL=http://www.kemet.com/docfinder?Partnumber=CBR04C689D5GAC, Failure Rate=-, Features="High Q, Low Loss", Height - Seated (Max)=-, Lead Spacing=-, Lead Style=-, Mounting Type="Surface Mount, MLCC", PackageReference=CAPC0402(1005)60, Packaging="Tape & Reel (TR)", Part Status=Active, Pricing 1="10000=0.01365, 20000=0.013, 30000=0.01235, 50000=0.01105, 100000=0.00894 (USD)", RoHS="RoHS Compliant", Size / Dimension="0.039\" L x 0.020\" W (1.00mm x 0.50mm)", Stock 1=10000, Supplier 1=Digi-Key, Thickness (Max)="0.022\" (0.55mm)"
C29: library part CMP-1590-00001-1, "1206 (3216 Metric) Chip Capacitor", Capacitance=4.7µF, Case-EIA=1206, Case-Metric=3216, ESR (Equivalent Series Resistance)="5 Ohm", Lifetime @ Temp.="2000 Hrs @ 85°C", Manufacturer=Kemet, Manufacturer Part Number=T491A475K010AT, Manufacturer Size Code=A, Operating Temperature="-55°C ~ 125°C", Package / Case="1206 (3216 Metric)", Supplier Part Number 1=399-3696-2-ND, Voltage - Rated=10V, Category=Capacitors, ComponentLink1Description=http://www.kemet.com/Lists/ProductCatalog/Attachments/254/KEM_T2005_T491.pdf, ComponentLink1URL=http://www.kemet.com/Lists/ProductCatalog/Attachments/254/KEM_T2005_T491.pdf, Failure Rate=-, Features="General Purpose", Height - Seated (Max)="0.071\" (1.80mm)", Lead Spacing=-, Mounting Type="Surface Mount", PackageReference=CAPC1206(3216)150, Packaging="Tape & Reel (TR)", Part Status=Active, Pricing 1="2000=0.0756, 4000=0.0714, 10000=0.0672, 14000=0.0651, 50000=0.0588, 100000=0.0546 (USD)", RoHS="RoHS Compliant", Size / Dimension="0.126\" L x 0.063\" W (3.20mm x 1.60mm)", Stock 1=40000, Supplier 1=Digi-Key, Type=Molded
D1 D4: library part CMP-0648-00001-1, "High-speed Switching Diode, 100 V, 4 ns, -65 to 150 degC, 3-Pin SOT23, RoHS, Tape and Reel", Manufacturer="NXP Semiconductors", Supplier Part Number 1=BAS16LT1GOSTR-ND, Temperature Range="-65 to 150 degC", Cd (pF)=1.5, ComponentLink1Description="Manufacturer URL", ComponentLink1URL=http://www.nxp.com/, ComponentLink2Description=Datasheet, ComponentLink2URL=http://www.nxp.com/documents/data_sheet/BAS16_SER.pdf, DatasheetVersion="Rev. 05", IF (mA)=215, IFRM (mA)=500, Mounting Technology="Surface Mount", PackageDescription="3-Pin Plastic Surface-mounted Package, Body 1.3 x 2.9 mm, Pitch 0.95 mm", PackageReference=SOT23-3, Packing="Tape and Reel", PartNumber=BAS16, Ptot (mW)=250, RoHS=TRUE, Rth (j-a) (K/W)=500, Rth (j-t) (K/W)=330, Supplier 1=Digi-Key, trr (ns)=4, VFR (V)=1.75, VR (V)=100, VRRM (V)=100
D2: library part TVS, Capacitance @ Frequency="320pF @ 1MHz", Current - Peak Pulse (10/1000µs)=6.8A, Manufacturer="Vishay Semiconductor Diodes Division", Manufacturer Part Number=SMF18A-E3-08, Operating Temperature="-65°C ~ 175°C (TJ)", Package / Case=DO-219AB, Power - Peak Pulse=200W, Power Line Protection=No, Supplier Device Package=SMF, Supplier Part Number 1=SMF18A-E3-08TR-ND, Voltage - Breakdown (Min)=20V, Voltage - Clamping (Max) @ Ipp=29.2V, Voltage - Reverse Standoff (Typ)=18V, Applications="General Purpose", Bidirectional Channels=-, Category="Circuit Protection", ComponentLink1Description=http://www.vishay.com/docs/85881/smf5v0atosmf58a.pdf, ComponentLink1URL=http://www.vishay.com/docs/85881/smf5v0atosmf58a.pdf, Mounting Type="Surface Mount", Packaging="Tape & Reel (TR)", Part Status=Active, Pricing 1="3000=0.084, 6000=0.0756, 15000=0.0672, 30000=0.063, 75000=0.05586, 150000=0.05376 (USD)", RoHS="RoHS Compliant", Stock 1=18000, Supplier 1=Digi-Key, Type=Zener, Unidirectional Channels=1